# KiCad board EBAZ4205.kicad_pcb (continued)
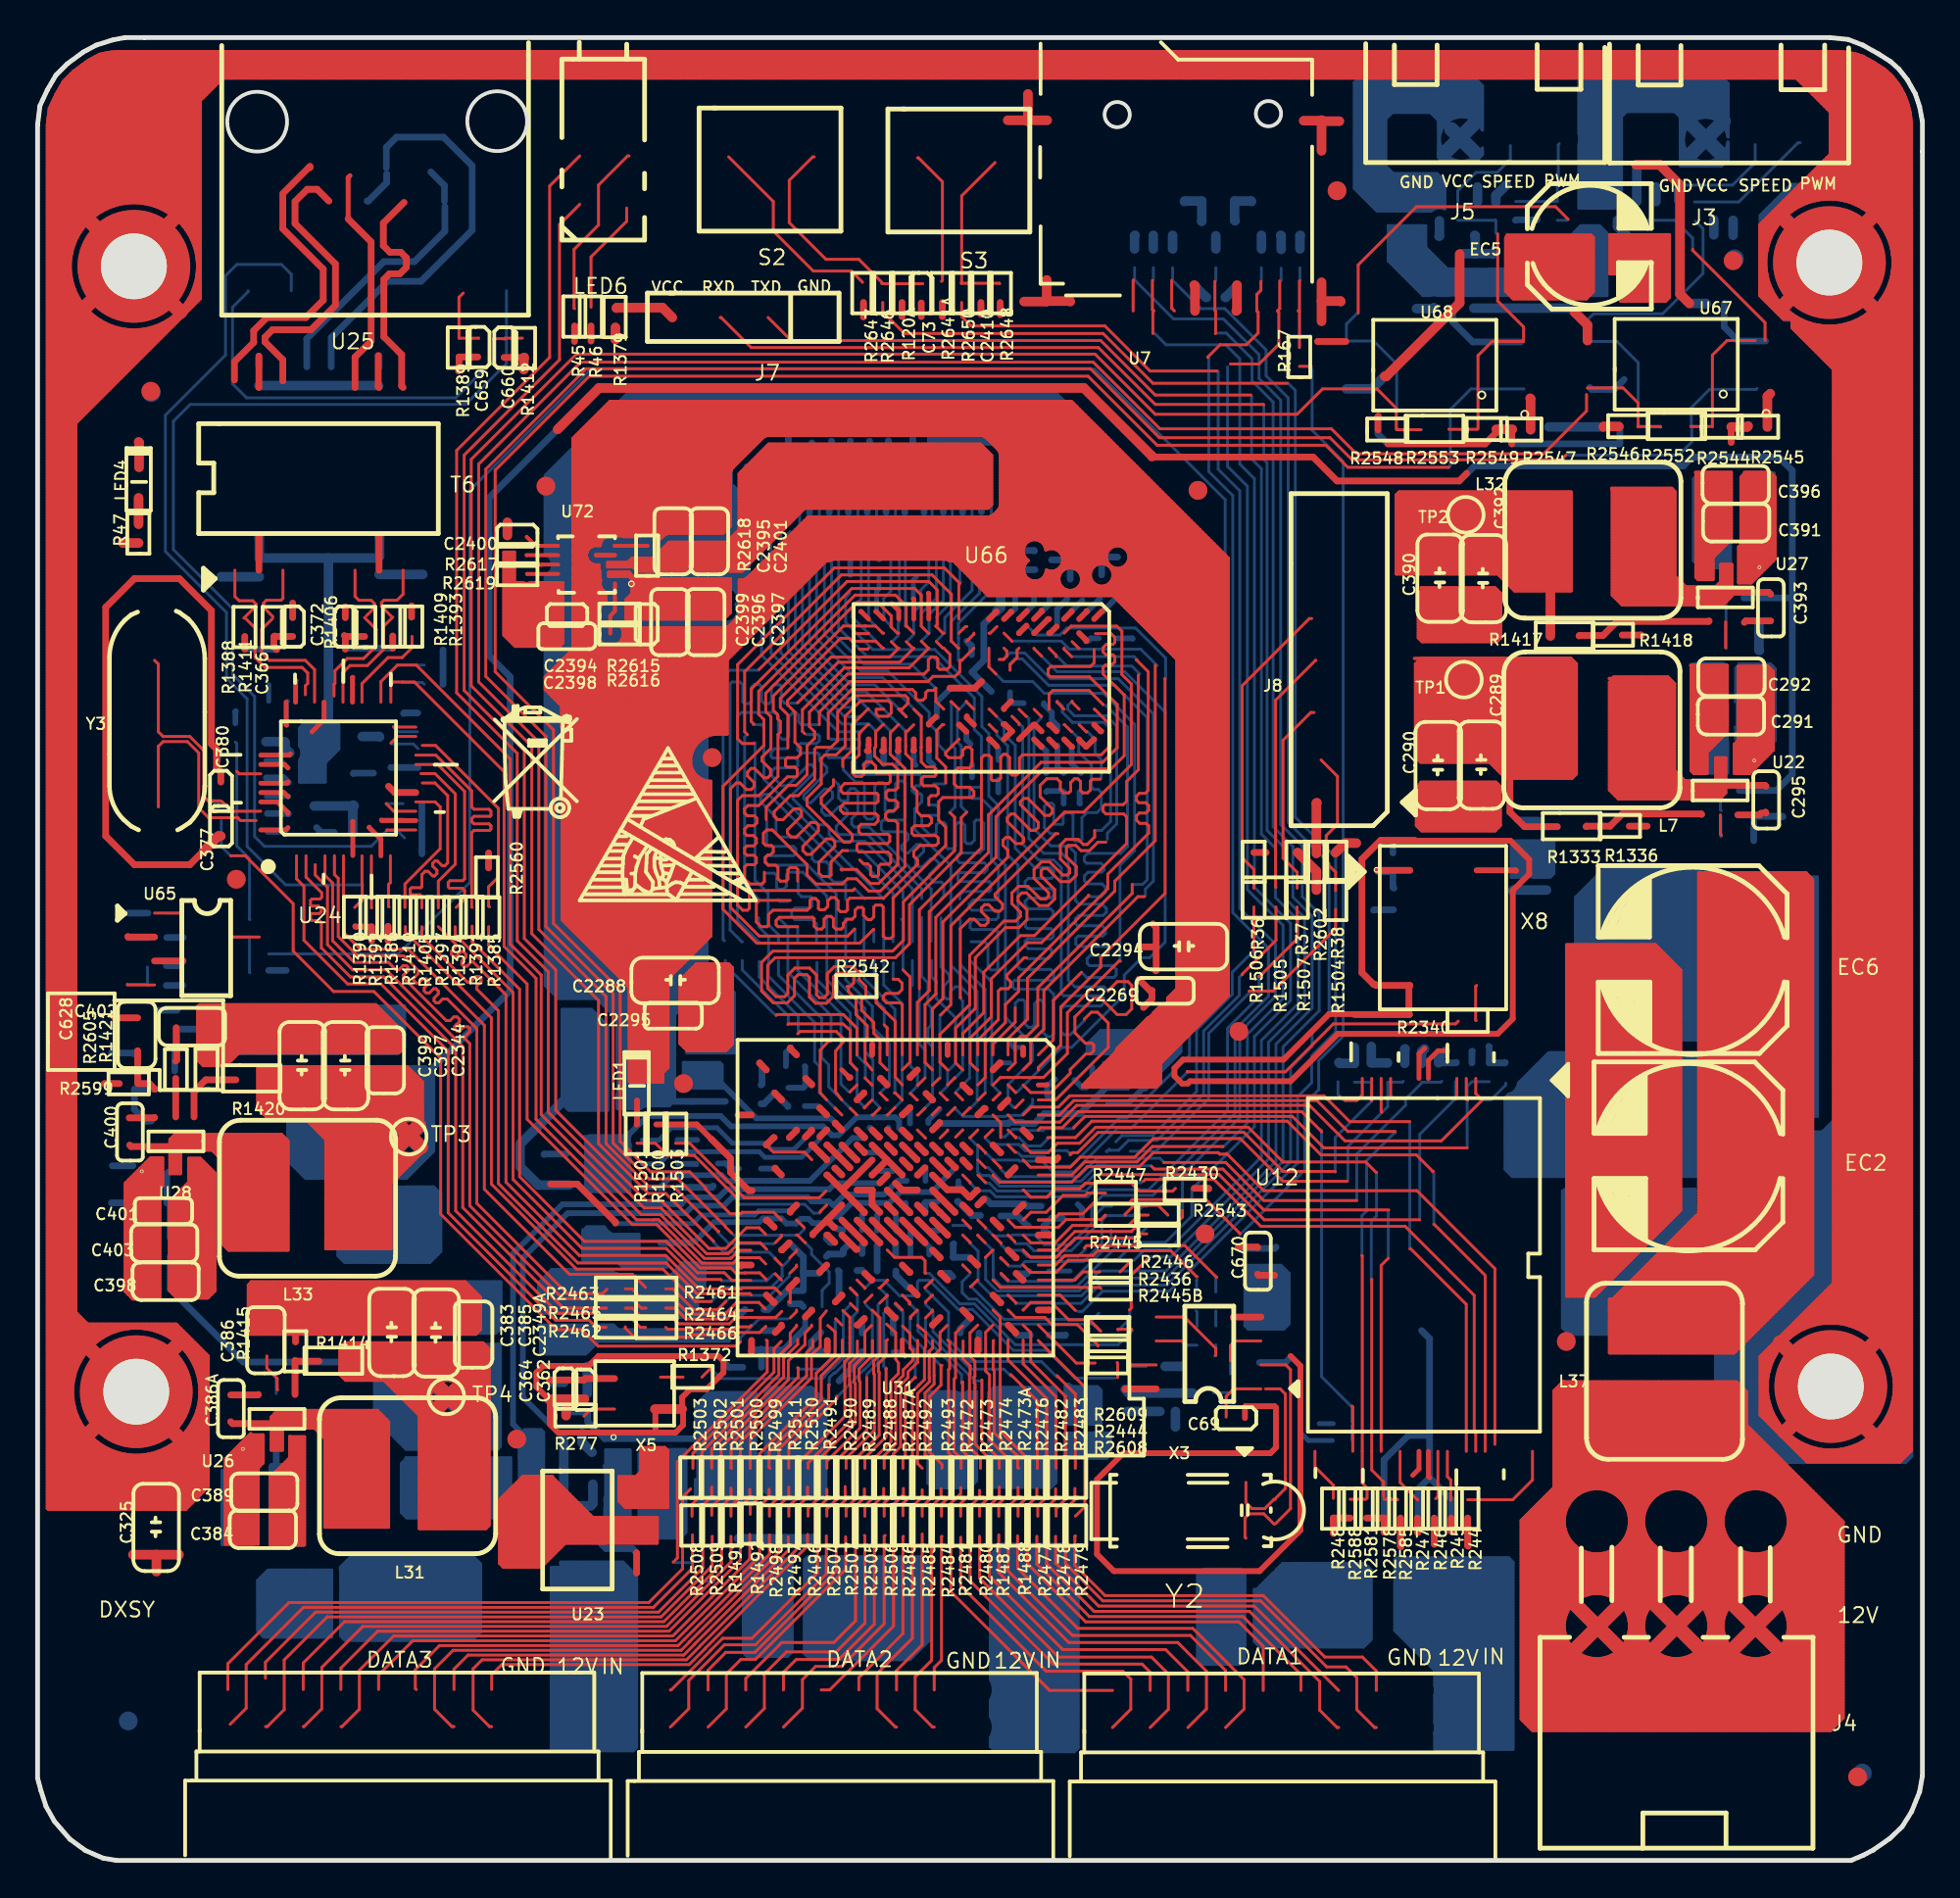
[diagram p0: board, top side]
## Routing (per net, layer and track width the routed paths; a pad name or vN(x,y) marks a point on that pad's centre or on a via; arc(x,y) is an arc through that point) (continued)
42.03,46.1 41.85,45.93 41.6,45.93 41.45,46.08 41.45,47.12 41.08,47.5 40.3,47.5 39.93,47.12 39.93,46.15 39.75,45.98 39.3,45.98 38.85,46.43 38.85,47.65 39.25,48.05 45.65,48.05 46.4,48.8 46.4,50.88 49.15,53.62 49.15,55.5 49.45,55.8 ; 44.03,18.33 44.03,18.88 44.53,19.38 44.53,21.4 45.41,22.29 45.41,25.52 45.81,25.91 45.81,26.47 45.66,26.69 45.66,28.09 45.18,28.54 ; 47.43,56.17 47.43,56.55 47.55,56.67 47.83,56.67 47.93,56.78 47.93,57.05 47.78,57.2 47.15,57.2 47.03,57.33 47.03,57.58 47.15,57.7 47.72,57.7 47.8,57.78 47.8,58.1 47.7,58.2 47.3,58.2 47.03,58.48 47.03,58.9 47.02,58.91 47.02,59.24 47.03,59.25 47.03,60.88 46.63,61.28 ; 49.23,33.29 49.62,32.9 49.62,32.88 ; 69.99,21.78 69.99,24.14 69.95,24.18 ; 85.15,76.33 86.35,76.33 86.38,76.3 ; 68.33,38.78 68.33,38.8 67.27,39.86 55.38,39.86 54.53,39 53.37,39 53.25,38.88 ; 13.06,68.67 13.06,67.18 12.95,67.08 12.18,67.08 12.03,66.92 12.03,66.7 12.53,66.2 ; 36.93,20.88 36.9,20.9 36.9,22.15 40.47,25.73 40.47,26.2 40.45,26.23 ; 49.03,59.67 48.33,58.98 48.33,58.85 48.47,58.7 49.1,58.7 49.22,58.83 49.22,59.08 49.4,59.25 49.6,59.25 49.72,59.13 49.72,58.28 49.6,58.15 48.97,58.15 48.78,57.95 48.78,57.3 48.95,57.13 49.6,57.13 49.83,56.9 49.83,56.67 49.72,56.58 48.18,56.58 47.95,56.35 47.95,55.38 48.33,55 48.33,54.03 45.53,51.23 45.53,49.2 45.4,49.08 45.12,49.08 45,49.2 45,50.75 44.9,50.85 44.6,50.85 44.5,50.75 44.5,50.23 44.35,50.08 44.18,50.08 43.95,50.3 43.95,50.65 43.88,50.73 43.65,50.73 43.5,50.58 43.5,50.25 43.35,50.1 43.1,50.1 42.88,49.88 42.88,49.68 42.78,49.58 42.47,49.58 42.35,49.7 42.35,50.12 42.22,50.25 42,50.25 41.85,50.1 41.85,49.7 41.72,49.58 41.47,49.58 41.33,49.73 41.33,50.12 41.25,50.2 39.48,50.2 39.3,50.03 39.3,49.8 39.4,49.7 40.45,49.7 ; 49.25,27.65 49.25,26.7 49.62,26.33 49.62,25.88 49.59,25.85 49.59,21.99 50.18,21.4 50.18,20.88 ; 47.62,27.68 47.62,27.28 47.45,27.1 47.45,25.71 47.45,25.71 47.45,25.48 46.83,24.85 46.83,21.12 47.08,20.88 ; 50.84,40.48 50.85,40.48 51.22,40.85 ; 45.43,65.67 45.43,66.25 44.72,66.95 43.58,66.95 38.75,62.13 38.75,61.15 39.03,60.88 39.03,59.2 38.55,58.73 38.55,58.53 39,58.08 39,57.78 38.85,57.63 38.65,57.63 38.15,58.13 37.98,58.13 37.78,57.92 37.78,57.73 38.12,57.38 38.12,57.15 37.98,57 37.73,57 37.38,57.35 37.18,57.35 36.88,57.05 36.88,50.73 38.4,49.2 43.1,49.2 43.47,49.58 ; 85.18,76.3 85.18,77.58 84.38,78.38 82.47,78.38 ; 38.12,60.48 37.98,60.63 37.98,62.35 43.33,67.7 46.68,67.7 47.03,67.35 47.03,65.7 47.4,65.33 47.43,65.33 ; 35.98,32.95 33.43,35.5 32.5,35.5 29.85,38.15 29.85,45.78 26.3,49.33 26.3,59.3 23.08,62.53 23.08,74.58 28.68,80.17 56.28,80.17 59.47,76.98 67.03,76.98 68.38,78.33 71.28,78.33 72.3,77.3 72.3,76.17 ; 53.83,64.53 54.2,64.15 54.2,64.08 ; 70.28,82.38 70.28,84.92 73.38,88.03 80.78,88.03 81.45,87.35 ; 53.25,31.69 54.17,31.69 54.68,32.2 56.18,32.2 56.43,32.45 60.3,32.45 61.68,31.08 61.7,31.08 ; 47.22,30.48 47.22,30.5 47.62,30.89 ; 36.9,19.83 36.9,19.35 36.4,18.85 36.4,15.78 33.32,12.71 16.33,12.71 14.14,10.51 14.14,9.1 ; 51.43,65.33 51.85,64.9 ; 23.12,50.73 23.1,50.75 23.1,54.7 23.23,54.83 24.05,54.83 24.12,54.9 24.12,55.08 24.03,55.17 23.23,55.17 23.1,55.3 23.1,55.45 23.23,55.58 24.08,55.58 24.12,55.63 24.12,55.85 24.03,55.95 23.23,55.95 23.1,56.08 23.1,56.92 21.19,58.83 20.12,58.83 ; 10.28,49.15 11.8,49.15 ; 38.98,20.88 38.93,20.93 38.93,21.75 41.7,24.53 41.7,25.8 42.83,26.93 42.83,27.7 ; 65.9,19.3 66.4,19.8 66.4,24.83 66.12,25.1 65.35,25.1 ; 55.03,60.08 54.65,60.45 54.62,60.45 ; 58.47,63.9 59.1,63.28 59.1,56.95 58.95,56.8 58.62,56.8 58.47,56.65 58.47,56.42 58.6,56.3 58.97,56.3 59.12,56.15 59.12,55.9 58.97,55.75 58.62,55.75 58.47,55.6 58.47,55.38 58.65,55.2 59,55.2 59.12,55.08 59.12,54.67 56.95,52.5 56.95,51.73 52.2,46.98 52.2,46.25 51.5,45.55 51.5,44.6 50.43,43.53 50.43,41.67 50.03,41.28 ; 50.63,64.53 50.63,63.52 51,63.15 ; 37.9,19.75 37.9,19.33 37.4,18.83 37.4,15.99 33.61,12.2 18.1,12.2 16.14,10.24 16.14,9.1 ; 52.45,33.29 52.87,32.87 54.15,32.87 55.08,33.8 58.05,33.8 58.6,34.35 59.1,34.35 ; 81.33,74.8 81.08,74.55 75.27,74.55 75.27,74.56 74.93,74.56 74.93,74.55 69.95,74.55 68.78,75.73 59.7,75.73 56.03,79.4 29.2,79.4 23.85,74.05 23.85,63.03 27.05,59.83 27.05,49.7 30.62,46.12 30.62,38.18 32.53,36.28 34.08,36.28 36.6,33.75 36.6,33.72 36.93,33.39 ; 50.25,25.58 50.25,22.3 51.18,21.38 51.18,20.88 ; 67.07,82.48 67.15,82.55 67.15,84.08 ; 18.9,66.17 18.4,65.67 18.4,64.45 17.55,63.6 16.62,63.6 16.23,63.2 16.23,62.73 16.25,62.7 16.25,61.65 ; 34.83,18.33 34.83,18.95 35.35,19.48 35.35,21.75 39.44,25.84 39.44,26.87 40.05,27.45 40.05,28.06 40.39,28.44 40.39,28.5 ; 41,18.33 41,18.73 41.5,19.23 41.5,21.28 43.51,23.29 43.51,25.38 43.46,25.43 43.46,26.34 44.03,26.9 44.03,28.12 44.38,28.48 ; 42.85,58.23 42.85,58.6 43.33,59.08 43.33,60.42 44.18,61.28 44.23,61.28 ; 44.53,47.12 44.62,47.03 44.62,45.65 45.64,44.67 45.64,41.7 46.01,41.28 ; 59.21,7.08 60.18,8.04 60.18,9.93 59.28,10.83 54.33,10.83 50.12,15.03 50.12,17.25 ; 17.26,53.48 17.26,51.94 17.28,51.93 17.28,51.12 16.88,50.73 ; 73.45,19.2 73.43,19.2 72.5,20.12 72.5,21.78 ; 45.05,20.88 45.05,21.55 45.67,22.17 45.67,25.41 46.06,25.81 46.06,26.11 46.57,26.62 46.57,27.13 46.43,27.28 46.43,28.05 46.03,28.45 ; 57.35,31.95 57.35,31.95 54.85,31.95 54.2,31.3 52.84,31.3 52.45,31.69 ; 49.23,39.68 49.6,40.05 49.62,40.05 ; 71.24,9.05 71.24,10.09 70.5,10.83 68.5,10.83 65.23,14.1 56.8,14.1 55.2,15.7 55.2,17.25 55.22,17.28 ; 44.93,83.92 47.1,83.92 ; 45.03,60.45 44.97,60.45 44.6,60.08 44.6,59.28 44.55,59.22 44.55,58.78 44.97,58.35 45.5,58.35 45.78,58.08 45.78,57.1 45.65,56.98 45.28,56.98 45.15,56.85 45.15,56.58 45.3,56.42 45.65,56.42 45.78,56.3 45.78,56.08 45.58,55.88 45.3,55.88 45.12,55.7 45.12,55.5 45.28,55.35 45.62,55.35 45.78,55.2 45.78,53.03 44.75,52 44.33,52 43.58,52.75 42.75,52.75 ; 50.03,42.08 50,42.08 49.62,42.45 49.62,43.78 50.75,44.9 50.75,46.93 52.68,48.85 53.43,48.85 55.93,51.35 55.93,51.38 ; 49.62,36.05 49.62,36.09 49.23,36.49 ; 59.35,81.28 59.35,82.43 59.4,82.48 59.33,82.55 59.33,84.1 ; 39.25,32.88 39.58,33.21 39.58,33.29 ; 40.05,51.1 38.4,51.1 38.25,50.95 38.25,49.95 38.5,49.7 38.83,49.7 38.9,49.78 38.9,50.35 39.12,50.58 40.95,50.58 41.1,50.73 41.1,51.1 41.2,51.2 41.4,51.2 41.55,51.05 41.55,50.68 41.62,50.6 41.88,50.6 42.05,50.78 42.05,51.08 42.22,51.25 42.43,51.25 42.6,51.08 42.6,50.62 42.72,50.5 43,50.5 43.1,50.6 43.1,51.1 43.22,51.23 45.03,51.23 46.83,53.03 46.83,53.25 46.62,53.45 46.62,53.7 46.95,54.03 47.8,54.03 47.93,54.15 47.93,54.42 47.8,54.55 46.65,54.55 46.53,54.67 46.53,54.92 46.68,55.08 47.4,55.08 47.58,55.25 47.58,55.45 47.43,55.6 47.03,55.6 46.8,55.83 46.8,56.9 46.53,57.17 46.53,58.58 46.2,58.9 46.2,60.07 46.22,60.1 46.28,60.1 46.63,60.45 ; 45.6,40.85 45.64,40.85 46.01,40.48 ; 49.23,42.88 49.23,44.01 50.35,45.12 50.35,47.28 52.3,49.23 53.05,49.23 57.95,54.12 57.95,55.55 57.8,55.7 56.85,55.7 56.7,55.85 56.7,56.1 56.8,56.2 57.78,56.2 57.95,56.38 57.95,57.42 58.58,58.05 58.58,63.1 ; 52.23,61.28 52.6,60.9 52.62,60.9 ; 54.96,37.61 54.96,37.64 ; 6.23,50.43 7.62,50.43 ; 76.55,44.7 76.53,44.73 76.53,46.53 76.58,46.58 ; 45.1,17.3 45.05,17.25 45.05,12.6 42.78,10.33 41.4,10.33 40.7,9.62 40.7,8.11 39.69,7.1 ; 33.15,25.73 34.35,25.73 ; 63.22,9.05 63.22,10.11 61.35,11.98 55.08,11.98 51.65,15.4 51.65,18.83 52.18,19.35 52.18,19.85 ; 49.03,64.53 49,64.53 48.62,64.9 48.62,67.4 47.6,68.42 42.78,68.42 37.62,63.28 37.62,60.08 37.78,59.92 ; 15.78,61.98 15.78,62.6 15.83,62.65 15.83,63.33 16.48,63.98 17.35,63.98 18.03,64.65 18.03,65.53 17.4,66.15 ; 53.22,18.33 53.22,18.88 53.7,19.35 53.7,24.58 51.64,26.63 51.64,27.7 ; 48,41.65 47.63,41.28 47.62,41.28 ; 89.83,64.55 89.83,65.92 ; 31.35,87.95 31.35,87.25 29.45,85.35 29.45,82.67 ; 46.01,42.88 46.01,45.54 45.9,45.65 45.18,45.65 45,45.83 45,46 45.15,46.15 45.8,46.15 46,46.35 46,46.7 45.8,46.9 45.53,46.9 ; 76.1,19.2 78.5,19.2 79.55,20.25 79.55,21.78 ; 44.41,39.68 44.46,39.68 44.83,40.05 ; 51.15,18.33 51.15,18.98 51.72,19.55 51.72,19.67 51.72,19.68 51.72,20.07 51.72,20.08 51.72,20.67 51.72,20.68 51.72,21.07 51.72,21.08 51.72,21.33 50.65,22.4 50.65,25.4 50.66,25.41 50.66,25.84 50.45,26.05 50.45,28.11 50.84,28.5 ; 50.43,40.85 50.05,40.48 50.03,40.48 ; 42,18.33 42,18.7 42.5,19.2 42.5,21.28 44.12,22.9 44.12,25.7 ; 39.25,32.05 39.25,32.03 39.58,31.69 ; 46.82,40.48 46.8,40.48 46.45,40.83 ; 54.2,20.88 54.2,24.68 52.45,26.43 52.45,27.7 ; 20.48,59.35 21.18,59.35 24.53,56 24.53,52.35 24,51.83 24,50.8 24.05,50.75 ; 64.97,47.05 65.03,47.05 67.03,49.05 67.03,50.75 ; 62.78,79.28 59.2,79.28 56.8,81.67 49.68,81.67 49.18,82.17 49.18,82.92 ; 49.45,65.67 49.38,65.67 49.03,65.33 ; 12.12,9.7 12.12,10.55 14.79,13.22 33.04,13.22 35.4,15.58 35.4,18.9 35.88,19.38 35.88,19.88 ; 51.64,33.29 52,32.93 52,32.93 ; 65.8,17.9 65.25,18.45 64.47,18.45 64.25,18.23 64.25,17.2 64.3,17.15 ; 50.84,42.88 50.84,43.44 52.03,44.62 52.03,45.38 ; 57.45,26.5 57.47,26.48 57.47,25.7 ; 50.03,30.89 50.02,30.89 49.65,30.53 ; 51.64,42.08 52.03,42.46 52.03,43.1 52.02,43.11 52.02,43.57 52.33,43.88 52.65,43.88 53.22,44.45 53.22,46.45 58.25,51.48 58.25,51.95 ; 65.1,84.05 65.1,83.58 64.88,83.36 64.88,82.48 64.95,82.41 64.95,81.3 64.33,80.67 62.93,80.67 62.28,80.03 62.28,80 ; 16.14,7.12 16.2,7.12 17.12,8.05 17.12,10.12 18.95,11.95 33.8,11.95 37.9,16.05 37.9,17.35 ; 40.39,31.69 40.39,31.61 40.05,31.28 ; 59.53,28.93 61.03,28.93 62.7,27.25 62.7,26.88 ; 49.22,28.45 48.85,28.08 48.85,25.7 48.77,25.62 48.77,21.76 49.15,21.38 49.15,20.88 ; 59.53,27.65 60.9,27.65 61.03,27.53 ; 69.08,51.62 69.08,52.6 68.58,53.1 68.58,54.55 69.18,55.15 69.18,57.7 68.3,58.58 ; 52.45,38.08 52.45,38.08 52.85,37.68 53.78,37.68 54.28,38.18 55.45,38.18 56.3,39.03 64.43,39.03 66.28,37.18 70.68,37.18 71.22,36.62 71.25,36.62 ; 72.25,38.8 69.72,38.8 68.08,40.45 55.15,40.45 54.38,39.68 53.25,39.68 ; 57.6,31.33 58.22,31.95 ; 45.03,19.8 45.03,19.45 44.53,18.95 44.53,12.58 42.65,10.7 40.38,10.7 39.69,10.02 39.69,9.08 ; 48.43,41.28 48.8,41.65 48.83,41.65 ; 41,20.88 41,21.15 43.26,23.41 43.26,25.27 43.21,25.32 43.21,25.82 43.2,25.83 43.2,26.45 43.62,26.88 43.62,27.65 ; 56.58,30.45 56.53,30.5 51.23,30.5 50.84,30.89 ; 48.43,42.08 48.02,42.48 48.02,43.97 49.6,45.55 49.6,48.18 51.43,50 52.05,50 52.3,50.25 52.3,50.48 51.85,50.93 51.85,51.5 52.2,51.85 52.7,51.85 53.38,51.18 53.65,51.18 53.8,51.33 53.8,51.5 53.03,52.28 53.03,52.75 53.43,53.15 53.85,53.15 54.55,52.45 54.8,52.45 54.93,52.58 54.93,52.8 54.43,53.3 54.43,54.05 54.72,54.35 55.38,54.35 55.65,54.08 55.85,54.08 56.25,54.48 56.25,54.83 ; 53.18,17.25 53.18,15.78 55.97,12.98 64.15,12.98 67.23,9.9 67.23,9.05 ; 47.08,19.73 47.08,19.35 46.55,18.83 46.55,11.83 44.68,9.95 44.68,8.08 45.65,7.1 45.71,7.1 ; 45.83,60.45 45.8,60.45 45.38,60.03 45.38,59.23 45.37,59.22 45.37,58.88 45.61,58.65 45.63,58.65 46.15,58.13 46.15,52.9 44.85,51.6 44.22,51.6 43.58,52.25 43.1,52.25 42.83,51.98 41.43,51.98 40.95,52.45 40.95,53 39.1,54.85 38.8,54.85 38.62,54.67 38.62,54.15 38.75,54.03 39.05,54.03 39.15,53.93 39.15,53.68 39,53.53 38.88,53.53 38.73,53.38 38.73,53.12 38.88,52.98 39.28,52.98 39.4,52.85 39.4,52.25 39.53,52.12 39.83,52.12 39.93,52.23 39.93,52.73 40.05,52.85 40.35,52.85 40.45,52.75 40.45,52.12 ; 53.25,30.1 54.4,30.1 55.22,29.28 ; 75.47,40.55 75.52,40.6 75.52,41.62 ; 55.43,64.53 55.4,64.53 55.05,64.88 ; 76.03,21.78 76.03,29.6 73.08,32.55 73.03,32.55 ; 28.85,90.73 27.25,89.13 27.25,80 22.3,75.05 22.3,62.15 25.53,58.92 25.53,48.95 27.18,47.3 27.18,39.83 32.28,34.73 33.18,34.73 35.6,32.3 36.75,32.3 37.33,32.88 38.45,32.88 38.8,32.53 ; 42.97,19.9 42.97,19.18 42.5,18.7 42.5,15.4 38.18,11.08 36.62,11.08 35.68,10.13 35.68,9.08 ; 44.41,30.1 44.03,29.71 44.03,29.7 ; 31.9,38.18 32.88,38.18 33.53,37.53 34.95,37.53 37.25,35.23 37.25,34.88 ; 46.05,47.4 46.43,47.03 46.43,42.49 46.01,42.08 ; 71.65,19.23 72.35,19.23 72.38,19.2 ; 63.47,26.6 63.47,27.4 63.72,27.65 65.1,27.65 ; 53.25,42.88 54.05,43.68 54.05,45.78 55.55,47.28 ; 43.03,18.33 43.03,18.75 43.18,18.9 43.18,18.9 43.53,19.25 43.53,19.67 43.52,19.68 43.52,20.07 43.53,20.08 43.53,20.67 43.52,20.68 43.52,21.37 44.79,22.64 44.79,25.99 44.74,26.03 44.74,26.44 45.15,26.85 45.15,27.65 45.22,27.73 ; 42.08,59.73 42.08,61.08 43.33,62.33 46.55,62.33 46.72,62.15 46.72,61.88 46.85,61.75 47.1,61.75 47.25,61.9 47.25,62.15 47.38,62.28 47.68,62.28 47.8,62.4 47.8,61.7 48.23,61.28 ; 50.03,37.28 50.44,36.88 ; 43.6,30.89 44.03,30.47 44.03,30.45 ; 29.08,23.65 29.45,24.03 30.7,24.03 ; 40.45,27.73 40.45,27.48 39.7,26.72 39.7,25.72 35.88,21.9 35.88,20.88 ; 22.16,9.1 22.16,10.18 22.91,10.93 34.39,10.93 34.97,11.51 34.97,11.52 39.95,16.5 39.95,17.23 ; 49.23,31.69 49.62,31.3 ; 50.45,32.1 50.45,32.1 50.84,32.49 ; 72.33,76.15 73.6,76.15 ; 52.2,20.88 52.15,20.92 52.15,21.53 50.9,22.77 50.9,25.3 50.91,25.3 50.91,26.06 50.85,26.12 50.85,27.65 50.88,27.68 ; 31.28,29.4 31.65,29.4 32.15,28.9 33.78,28.9 34.11,28.56 36.81,28.56 37.15,28.9 39.28,28.9 39.6,29.23 ; 47.25,31.25 47.22,31.28 47.22,31.93 47.05,32.1 45.6,32.1 45.21,32.49 ; 18.8,61.65 18.8,62.6 18.93,62.73 20.05,62.73 24.83,57.95 24.83,48.65 26.53,46.95 26.53,39.45 31.88,34.1 32.79,34.1 32.79,34.1 33.05,34.1 35.36,31.79 37.01,31.79 37.31,32.08 38.42,32.08 38.75,31.75 ; 18.83,66.23 18.3,66.75 18.3,66.95 18.43,67.08 19.12,67.08 19.45,67.4 19.45,68.67 ; 31.28,30.43 31.62,30.43 32.12,29.93 33.8,29.93 34.65,29.07 36.57,29.07 37.2,29.7 38.38,29.7 38.73,29.35 ; 48.43,38.88 48.43,38.85 48.03,38.45 ; 51.25,32.08 51.26,32.08 51.64,31.69 ; 38.03,29.28 37.15,29.28 36.69,28.82 34.51,28.82 33.93,29.4 33.43,29.4 ; 51.05,65.67 50.7,65.33 50.63,65.33 ; 63.97,33.35 63.97,33.38 62.18,35.18 58.25,35.18 58.08,35 56.2,35 55.62,34.42 54.36,34.42 54.03,34.09 53.25,34.09 53.76,34.09 ; 10.98,66.13 11.62,66.78 11.62,66.88 11.45,67.05 10.73,67.05 10.5,67.28 10.5,68.67 ; 22.65,83.42 22.43,83.2 22.43,81.03 23.48,81.03 ; 53.2,20.88 53.2,24.45 51.8,25.85 51.78,25.85 ; 41.6,60.45 41.6,61.13 43.22,62.75 47.38,62.75 47.65,63.03 48.83,63.03 49.08,63.28 49.08,63.88 49.18,63.88 49.83,64.53 ; 11.88,57.84 10.74,57.84 10.6,57.98 ; 46.22,60.88 45.83,61.28 46,61.28 46.33,61.6 46.33,61.85 46.18,62 43.45,62 42.58,61.13 42.58,59.6 42.22,59.25 41.45,59.25 41.35,59.15 41.35,57.55 40.47,56.67 40.05,56.67 39.2,55.83 39.2,55.58 39.38,55.4 39.68,55.4 40.25,55.98 40.53,55.98 40.65,55.85 40.65,55.6 39.9,54.85 39.9,54.67 40.1,54.48 40.38,54.48 41.15,55.25 41.4,55.25 41.55,55.1 41.55,54.8 40.72,53.98 40.72,53.75 40.93,53.55 41.15,53.55 41.97,54.38 42.28,54.38 42.43,54.23 42.43,53.98 41.58,53.12 41.58,52.55 41.75,52.38 42.15,52.38 42.22,52.45 42.22,53.15 42.83,53.75 43.1,53.75 ; 46.83,27.68 46.83,27.67 46.83,26.52 46.32,26.01 46.32,25.7 45.92,25.31 45.92,22.02 45.55,21.65 45.55,19.53 45.05,19.03 45.05,18.33 ; 55.43,61.28 55.05,61.65 55.05,61.7 ; 32.35,28.38 32.08,28.38 31.55,28.9 29.98,28.9 29.75,29.12 27.7,29.12 22.25,34.58 22.25,43.2 18.43,47.03 16.65,47.03 15.1,48.58 15.1,49.93 15,50.03 14.6,50.03 14.53,50.1 14.53,50.35 14.58,50.4 15,50.4 15.1,50.5 15.1,50.65 14.95,50.8 14.58,50.8 14.53,50.85 14.53,51.1 14.6,51.18 15.03,51.18 15.12,51.28 15.12,51.5 14.28,52.34 14.28,53.48 ; 64.72,48.43 64.72,50.75 ; 11.62,55.35 10.8,55.35 10.65,55.5 9.1,55.5 8.58,56.03 8.58,58.95 7.98,59.55 6.68,59.55 6.43,59.3 6.43,56.08 ; 40.05,29.76 40.05,30.46 ; 56.75,34.28 56.83,34.35 ; 15.29,53.48 15.29,52.43 15.7,52.03 15.7,48.95 16.85,47.8 18.68,47.8 19.05,47.43 19.25,47.43 19.45,47.62 19.62,47.62 19.7,47.55 19.7,47.35 19.48,47.12 19.48,46.98 21.75,44.7 21.95,44.7 22.15,44.9 22.33,44.9 22.45,44.78 22.45,44.65 22.2,44.4 22.2,44.28 22.33,44.15 22.45,44.15 22.68,44.38 22.9,44.38 23,44.28 23,44.12 22.73,43.85 22.73,43.75 23,43.48 23,34.85 27.95,29.9 31.62,29.9 32.12,29.4 32.38,29.4 ; 49.12,18.33 49.12,19 49.65,19.53 49.65,21.38 49.22,21.8 49.22,25.45 49.22,25.45 49.18,25.45 ; 39.58,30.89 39.25,31.23 39.25,31.23 ; 17.5,66.25 17.93,66.67 17.93,66.9 17.75,67.08 17.1,67.08 16.89,67.28 16.89,68.67 ; 18.27,61.65 18.27,62.75 19.15,63.63 20.15,63.63 25.15,58.63 25.15,48.78 26.8,47.12 26.8,39.7 32.12,34.38 33.15,34.38 35.48,32.04 36.85,32.04 36.87,32.06 36.91,32.06 37.33,32.48 37.95,32.48 ; 22.28,50.73 22.73,51.18 22.73,51.62 22.6,51.75 21.93,51.75 21.85,51.83 21.85,52.05 21.95,52.15 22.62,52.15 22.73,52.25 22.73,56.9 21.29,58.33 20.12,58.33 ; 45.21,30.89 45.21,30.89 ; 33.68,9.08 33.72,9.08 35.81,11.16 35.81,11.18 36.46,11.83 38.03,11.83 41.5,15.3 41.5,18.73 42,19.23 42,19.75 ; 48.33,57.35 48.33,58.2 47.85,58.67 47.85,60.15 48.15,60.45 48.23,60.45 ; 51.64,39.68 52.02,39.3 54.4,39.3 55.29,40.19 67.68,40.19 69.58,38.3 74.7,38.3 76.88,40.48 76.53,40.82 76.53,41.62 ; 55.7,32.6 55.83,32.73 61.05,32.73 62.72,31.05 62.75,31.05 ; 89.6,54.58 89.55,54.63 89.55,55.65 ; 45.03,61.28 44.65,61.28 44.62,61.25 44.62,61.03 44.75,60.9 45.25,60.9 45.43,61.08 45.43,61.58 45.28,61.73 43.8,61.73 42.97,60.9 42.97,59.33 42.5,58.85 41.9,58.85 41.7,58.65 41.7,57.3 40.95,56.55 40.95,56.15 42.9,54.2 43.22,54.2 43.35,54.33 43.35,54.6 41.7,56.25 41.7,56.58 42.35,57.23 42.35,57.53 ; 28.85,88.15 27.78,87.08 27.78,79.88 22.7,74.8 22.7,62.28 25.9,59.08 25.9,49.08 27.58,47.4 27.58,39.93 32.38,35.12 33.18,35.12 35.73,32.58 36.62,32.58 37.73,33.68 38.4,33.68 38.75,33.33 ; 33.83,15.88 34.05,16.1 34.05,21.23 38.83,26 38.83,27.65 38.78,27.7 ; 71.62,19.38 71.62,20.15 70.99,20.78 70.99,30.92 71,30.93 ; 53.25,42.08 53.25,42.2 54.45,43.4 54.45,45.43 56.58,47.55 56.58,48.05 60,51.48 60,62.88 59.97,62.9 ; 53.75,38.48 55.22,38.48 56.1,39.35 66.5,39.35 68.3,37.55 73.38,37.55 74.25,36.68 74.28,36.68 ; 43.7,9.08 43.7,9.73 46.05,12.08 46.05,17.23 46.08,17.25 ; 49.23,42.08 48.85,42.46 48.85,44.3 49.9,45.35 49.9,48.05 51.5,49.65 52.22,49.65 52.65,50.08 52.65,50.6 52.18,51.08 52.18,51.3 52.38,51.5 52.62,51.5 53.3,50.83 53.78,50.83 54.12,51.18 54.12,51.68 53.4,52.4 53.4,52.68 53.53,52.8 53.72,52.8 54.43,52.1 54.93,52.1 55.28,52.45 55.28,52.9 54.75,53.43 54.75,53.93 54.85,54.03 55.25,54.03 55.53,53.75 55.97,53.75 56.43,54.2 56.85,54.2 ; 70.75,19.28 70.75,19.83 70.49,20.08 70.49,32.18 70.47,32.2 ; 40.97,19.88 40.97,19.35 40.47,18.85 40.47,16.63 35.25,11.41 35.25,11.4 34.53,10.68 23.65,10.68 23.18,10.2 23.18,8 24.05,7.12 24.16,7.12 ; 47.83,64.88 48.18,64.53 48.23,64.53 48.55,64.2 48.55,63.55 48.4,63.4 48,63.4 47.9,63.5 47.9,63.95 47.8,64.05 47.55,64.05 47.4,63.9 47.4,63.38 47.18,63.15 43.1,63.15 41.08,61.13 41.08,60.35 41.35,60.08 41.35,59.73 40.95,59.33 40.95,57.8 40.38,57.23 39.95,57.23 38.78,56.05 38.78,55.4 ; 55.03,64.08 54.62,64.48 54.62,64.53 ; 36.9,17.25 36.9,15.89 33.47,12.46 17.31,12.46 15.12,10.28 15.12,8.08 14.18,7.12 14.14,7.12 ; 75.2,19.18 75.2,20.25 75.02,20.43 75.02,21.78 ; 58.85,36.15 58.95,36.25 62.6,36.25 65.1,33.75 72.78,33.75 76.45,30.08 76.45,22.8 76.53,22.72 76.53,21.78 ; 47.71,7.1 47.62,7.1 46.7,8.03 46.7,9.78 47.58,10.65 47.58,18.85 48.08,19.35 48.08,19.78 ; 67.98,21.78 67.98,20.95 68.95,19.98 68.95,19.28 ; 41.99,40.48 41.65,40.86 41.65,43.12 42.1,43.62 42.22,43.62 ; 54.18,17.25 54.18,15.83 56.46,13.54 64.75,13.54 69.23,9.05 ; 69.85,19.23 70.68,19.23